# Altium PCB slave.PcbDoc (part 4 of 5)
Units mil, origin at the board's own origin, x right, y up, seen from the top; angles counter-clockwise.
Board outline 6299.21 x 3937.01 mil, 6 copper layers (Top Copper, FUSED_VBAT-, Signal Layer 2, Signal Layer 3, VREG, Bot Copper), stack 65.749 mil thick; 419 components, 272 nets, 1250 pads, 1624 vias.
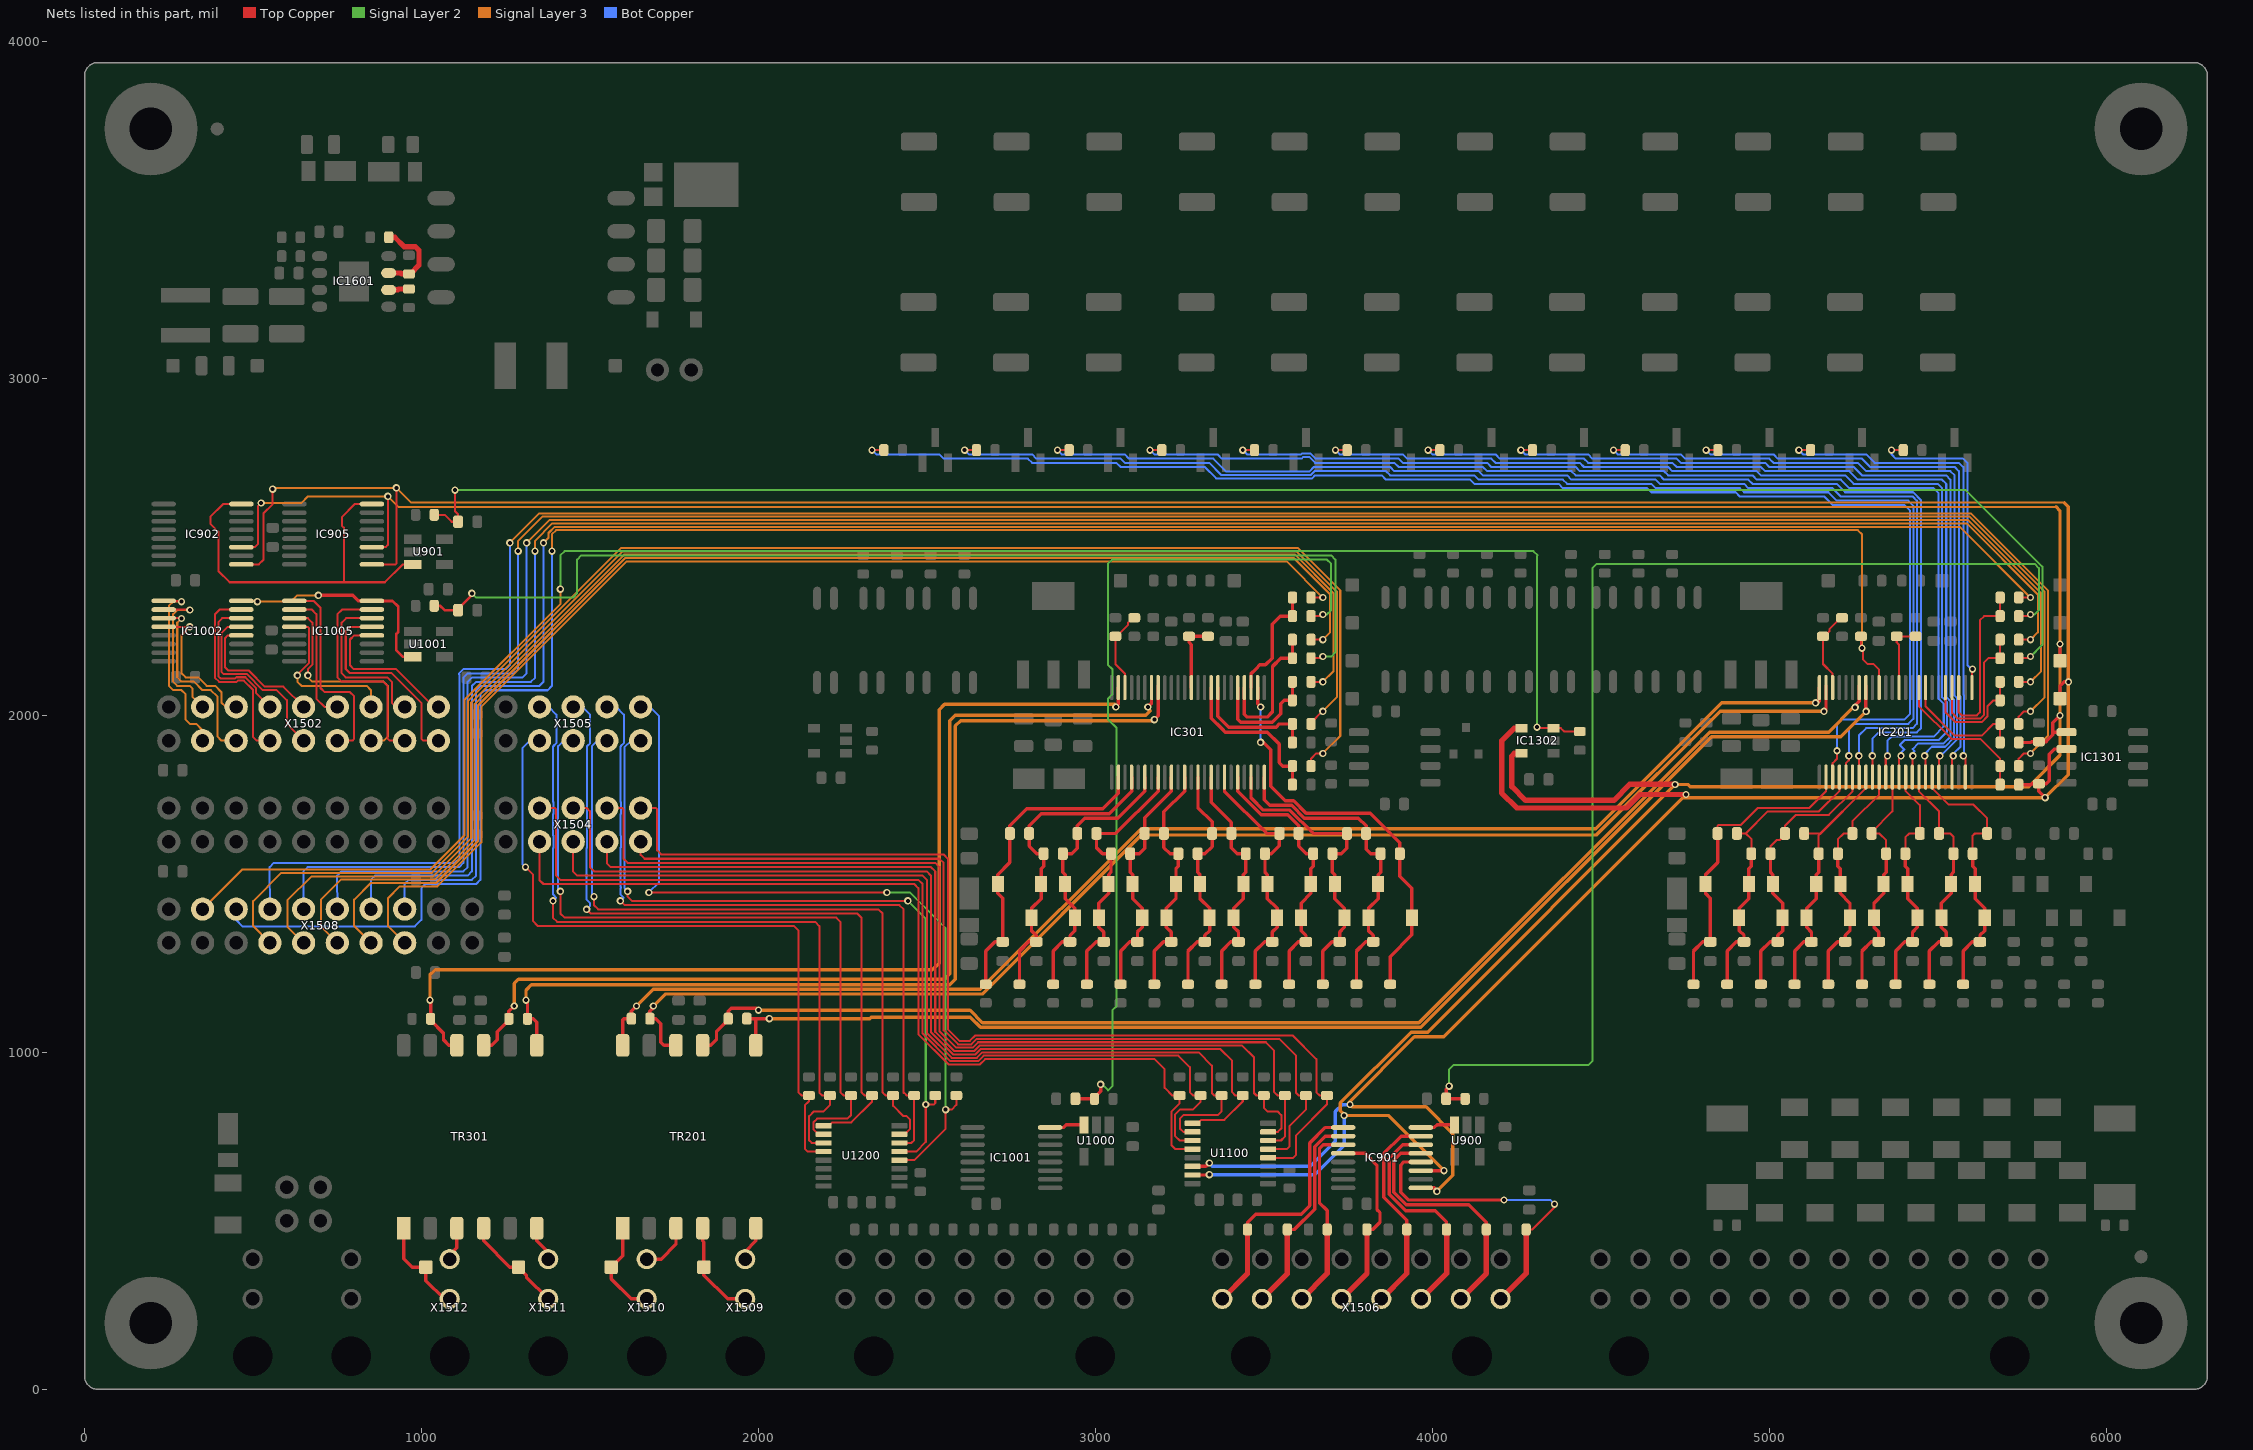
[diagram p8: the nets of this part, all layers, seen from the top]

## Via types
v1: diameter 21.65, hole 11.81, Top Copper to Bot Copper, tented both sides, 1591 vias
v2: diameter 29.53, hole 19.68, Top Copper to Bot Copper, tented both sides, 16 vias
v3: diameter 35.43, hole 23.62, Top Copper to Bot Copper, 13 vias
v4: diameter 25.59, hole 15.75, Top Copper to Bot Copper, tented both sides, 4 vias

## Nets (pads, with @x,y where several pads share a name; then routed paths per layer and width w, separated by ;. In a path a pad name is that pad's centre, name@x,y a point inside that pad or via, vN(x,y) a via of type N, cw(c..) or ccw(c..) an arc to the next point about the centre after c; other vN are vias at no path point) (continued)
PRIMARY-C4: C503.1 C508.2 C509.1 IC201.18 R503.2 Z502.2 Z503.1 | length 818.9
  Top Copper w6: IC201.18@5482.48,1816.64 5482.48,1784.16 5531.63,1735 5605,1735 5645.67,1694.33 C509.1@5645.67,1649.51 5609.51,1649.51 5602.75,1642.75 C508.2@5602.75,1589.51
  Top Copper w10: R503.2@5574.21,1202.07 5574.21,1300.75 5601.51,1328.05 C503.1@5624.21,1328.05 5624.21,1346.82 5638.58,1361.19 Z502.2@5638.58,1399.51 5638.58,1427.53 5609.84,1456.27 Z503.1@5609.84,1499.51 5609.84,1544.72 5602.75,1551.81 C508.2@5602.75,1589.51
PRIMARY-C5: C502.1 C507.2 C508.1 IC201.16 R502.2 Z501.2 Z502.1 | length 731
  Top Copper w6: IC201.16@5443.11,1816.64 5443.11,1775.23 5502.75,1715.59 C507.2@5502.75,1649.51 5535.49,1649.51 5545.67,1639.33 C508.1@5545.67,1589.51
  Top Copper w10: R502.2@5474.21,1202.07 5474.21,1300.75 5501.51,1328.05 C502.1@5524.21,1328.05 5524.21,1357.12 5509.84,1371.49 Z502.1@5509.84,1399.51 5509.84,1442.75 5538.58,1471.49 Z501.2@5538.58,1499.51 5538.58,1527.53 5545.67,1534.61 C508.1@5545.67,1589.51
PRIMARY-C6: C501.1 C507.1 C524.2 IC201.14 R501.2 Z501.1 Z512.2 | length 722.8
  Top Copper w6: C524.2@5402.75,1589.51 5402.75,1637.75 5414.51,1649.51 C507.1@5445.67,1649.51 5445.67,1733.31 5403.74,1775.23 IC201.14@5403.74,1816.64
  Top Copper w10: R501.2@5374.21,1202.07 5374.21,1300.75 5401.51,1328.05 C501.1@5424.21,1328.05 5424.21,1357.12 5438.58,1371.49 Z512.2@5438.58,1399.51 5438.58,1427.53 5409.84,1456.27 Z501.1@5409.84,1499.51 5409.84,1544.72 5402.75,1551.81 C524.2@5402.75,1589.51
PRIMARY-C7: C518.1 C523.2 C524.1 IC201.12 R513.2 Z511.2 Z512.1 | length 726
  Top Copper w6: C524.1@5345.67,1589.51 5345.67,1629.33 5325.49,1649.51 C523.2@5302.75,1649.51 5302.75,1653.45 5364.37,1715.06 IC201.12@5364.37,1816.64
  Top Copper w10: R513.2@5274.21,1202.07 5274.21,1300.75 5301.51,1328.05 C518.1@5324.21,1328.05 5324.21,1357.12 5309.84,1371.49 Z512.1@5309.84,1399.51 5309.84,1442.75 5338.58,1471.49 Z511.2@5338.58,1499.51 5338.58,1527.53 5345.67,1534.61 C524.1@5345.67,1589.51
PRIMARY-C8: C517.1 C522.2 C523.1 IC201.10 R512.2 Z510.2 Z511.1 | length 735.3
  Top Copper w6: C522.2@5202.75,1589.51 5202.75,1632.75 5219.51,1649.51 C523.1@5245.67,1649.51 5245.67,1685.67 5325,1765 IC201.10@5325,1816.64
  Top Copper w10: R512.2@5174.21,1202.07 5174.21,1300.75 5201.51,1328.05 C517.1@5224.21,1328.05 5224.21,1346.82 5238.58,1361.19 Z510.2@5238.58,1399.51 5238.58,1442.75 5209.84,1471.49 Z511.1@5209.84,1499.51 5209.84,1544.72 5202.75,1551.81 C522.2@5202.75,1589.51
PRIMARY-C9: C516.1 C521.2 C522.1 IC201.8 R511.2 Z509.2 Z510.1 | length 775.6
  Top Copper w6: C521.2@5102.75,1649.51 5150.98,1649.51 ; C522.1@5145.67,1589.51 5145.67,1644.2 5150.98,1649.51 ; IC201.8@5285.63,1816.64 5285.63,1784.16 5150.98,1649.51
  Top Copper w10: R511.2@5074.21,1202.07 5074.21,1300.75 5101.51,1328.05 C516.1@5124.21,1328.05 5124.21,1357.12 5109.84,1371.49 Z510.1@5109.84,1399.51 5109.84,1427.53 5138.58,1456.27 Z509.2@5138.58,1499.51 5138.58,1527.53 5145.67,1534.61 C522.1@5145.67,1589.51
PRIMARY-C10: C515.1 C520.2 C521.1 IC201.6 R510.2 Z508.2 Z509.1 | length 833
  Top Copper w6: C520.2@5002.75,1589.51 5002.75,1612.21 5020.69,1630.14 5030.24,1630.14 5045.67,1645.57 C521.1@5045.67,1649.51 5045.67,1672.21 5078.46,1705 5176.02,1705 5246.26,1775.23 IC201.6@5246.26,1816.64
  Top Copper w10: R510.2@4974.21,1202.07 4974.21,1300.75 5001.51,1328.05 C515.1@5024.21,1328.05 5024.21,1346.82 5038.58,1361.19 Z508.2@5038.58,1399.51 5038.58,1442.75 5009.84,1471.49 Z509.1@5009.84,1499.51 5009.84,1527.53 5002.75,1534.61 C520.2@5002.75,1589.51
PRIMARY-C11: C514.1 C519.2 C520.1 IC201.4 R509.2 Z507.2 Z508.1 | length 906.5
  Top Copper w6: C519.2@4902.75,1649.51 4929.51,1649.51 ; C520.1@4945.67,1589.51 4945.67,1633.35 4929.51,1649.51 ; IC201.4@5206.89,1816.64 5206.89,1775.23 5146.65,1715 4995,1715 4929.51,1649.51
  Top Copper w10: R509.2@4874.21,1202.07 4874.21,1300.75 4901.51,1328.05 C514.1@4924.21,1328.05 4924.21,1346.82 4909.84,1361.19 Z508.1@4909.84,1399.51 4909.84,1427.53 4938.58,1456.27 Z507.2@4938.58,1499.51 4938.58,1544.72 4945.67,1551.81 C520.1@4945.67,1589.51
PRIMARY-C12: C513.1 C519.1 IC201.2 R508.2 Z507.1 | length 930.9
  Top Copper w6: C519.1@4845.67,1649.51 4845.67,1672.21 4848.46,1675 4889.2,1675 4889.41,1675.21 4915.21,1675.21 4965,1725 5117.28,1725 5167.52,1775.23 IC201.2@5167.52,1816.64
  Top Copper w10: R508.2@4774.21,1202.07 4774.21,1300.75 4801.51,1328.05 C513.1@4824.21,1328.05 4824.21,1457.12 4809.84,1471.49 Z507.1@4809.84,1499.51 4809.84,1527.53 4845.67,1563.35 C519.1@4845.67,1649.51
PRIMARY-DIGITAL-IO_0: R1101.1 U1100.4 X1504.1 | length 3128.4
  Top Copper w6: X1504.1@1650,1725 1695,1725 1699.21,1720.79 1699.21,1599.51 1711.71,1587.01 2549.21,1587.01 2561.71,1574.51 2561.71,1068.29 2596.07,1033.93 2627,1033.93 2643.07,1050 3584.6,1050 3655,979.6 3655,881.94 3664.99,871.95 R1101.1@3686.71,871.95 3686.71,845.43 3595,753.72 3595,696.25 3585.95,687.2 U1100.4@3512.2,687.2
PRIMARY-DIGITAL-IO_1: R1102.1 U1100.5 X1504.2 | length 2915.8
  Top Copper w6: X1504.2@1650,1625 1650,1586.22 1661.71,1574.51 2536.71,1574.51 2549.21,1562.01 2549.21,1065 2550.86,1065 2591.92,1023.93 2631.14,1023.93 2647.21,1040 3545,1040 3595,990 3595,879.44 3602.49,871.95 R1102.1@3624.21,871.95 3624.21,830.21 3575.79,781.79 3575.79,721.46 3567.13,712.8 U1100.5@3512.2,712.8
PRIMARY-DIGITAL-IO_2: R1103.1 U1100.6 X1504.3 | length 2997.2
  Top Copper w6: X1504.3@1550,1725 1595,1725 1599.21,1720.79 1599.21,1574.51 1611.71,1562.01 2524.21,1562.01 2536.71,1549.51 2536.71,1063.36 2586.13,1013.93 2635.29,1013.93 2651.35,1030 3505,1030 3530,1005 3530,881.94 3539.99,871.95 R1103.1@3561.71,871.95 3561.71,750 3550.1,738.39 U1100.6@3512.2,738.39
PRIMARY-DIGITAL-IO_3: R1104.1 U1100.7 X1504.4 | length 2832.6
  Top Copper w6: X1504.4@1550,1625 1550,1561.22 1561.71,1549.51 2511.71,1549.51 2524.21,1537.01 2524.21,1060.79 2581.07,1003.93 2639.43,1003.93 2655.49,1020 3434.97,1020 3470,984.97 3470,879.44 3477.49,871.95 R1104.1@3499.21,871.95 3499.21,835.79 3510,825 3539.83,825 3551.19,813.64 3551.19,774.15 3541.01,763.98 U1100.7@3512.2,763.98
PRIMARY-DIGITAL-IO_4: R1105.1 U1100.9 X1504.5 | length 2971.3
  Top Copper w6: X1504.5@1450,1725 1490,1725 1499.21,1715.79 1499.21,1549.51 1511.71,1537.01 2499.21,1537.01 2511.71,1524.51 2511.71,1059.15 2576.92,993.93 2643.57,993.93 2659.64,1010 3369.97,1010 3405,974.97 3405,881.94 3414.99,871.95 R1105.1@3436.71,871.95 3436.71,854.17 3382.23,799.69 3313.67,799.69 3303.54,789.57 U1100.9@3287.8,789.57
PRIMARY-DIGITAL-IO_5: R1106.1 U1100.10 X1504.6 | length 2866.3
  Top Copper w6: X1504.6@1450,1625 1450,1536.22 1461.71,1524.51 2486.71,1524.51 2499.21,1512.01 2499.21,1057.51 2572.78,983.93 2647.71,983.93 2663.78,1000 3305.87,1000 3345,960.87 3345,879.44 3352.49,871.95 R1106.1@3374.21,871.95 3374.21,825 3363.54,814.33 3261.71,814.33 3250,802.62 3250,774.15 3260.17,763.98 U1100.10@3287.8,763.98
PRIMARY-DIGITAL-IO_6: R1107.1 U1100.11 X1504.7 | length 2977.4
  Top Copper w6: X1504.7@1350,1725 1395,1725 1399.21,1720.79 1399.21,1524.51 1411.71,1512.01 2474.21,1512.01 2486.71,1499.51 2486.71,1055.86 2568.64,973.93 2651.85,973.93 2667.92,990 3245.87,990 3280,955.87 3280,881.94 3289.99,871.95 R1107.1@3311.71,871.95 3311.71,853.91 3287.8,830 3250,830 3236.23,816.23 3236.23,751.48 3249.32,738.39 U1100.11@3287.8,738.39
PRIMARY-DIGITAL-IO_7: R1108.1 U1100.12 X1504.8 | length 2802
  Top Copper w6: X1504.8@1350,1625 1350,1511.22 1361.71,1499.51 2461.71,1499.51 2474.21,1487.01 2474.21,1054.22 2564.5,963.93 2656,963.93 2672.06,980 3174.97,980 3205,949.97 3205,894.44 3227.49,871.95 R1108.1@3249.21,871.95 3249.21,848.46 3225,824.25 3225,725 3237.2,712.8 U1100.12@3287.8,712.8
PRIMARY-GPIO1: IC201.27 R209.2 R210.2 | length 541.3
  Top Copper w6: IC201.27@5561.22,2088.68 5561.22,2008.78 5570,2000 5615,2000 5624.21,2009.21 5624.21,2282.01 5636.71,2294.51 R210.2@5682.19,2294.51 ; R210.2@5684.15,2294.51 R209.2@5684.15,2349.51
PRIMARY-GPIO1-OPT: R209.1 X1508.5 | length 6035.2
  Top Copper w6: R209.1@5741.24,2349.51 v1(5774.21,2349.51)
  Top Copper w10: R209.1@5736.71,2349.51 R209.1@5739.27,2349.51 R209.1@5741.24,2349.51
  Signal Layer 3 w6: v1(1361.71,2512.01) 1376.71,2527.01 1376.71,2541.15 1395.07,2559.51 5564.21,2559.51 v1(5774.21,2349.51)
  Bot Copper w6: X1508.5@950,1425 949.21,1499.51 961.71,1512.01 1149.21,1512.01 1161.71,1524.51 1161.71,2074.51 1174.21,2087.01 1349.21,2087.01 1361.71,2099.51 v1(1361.71,2512.01)
PRIMARY-GPIO2: IC201.28 R211.2 R212.2 | length 449.6
  Top Copper w6: IC201.28@5541.54,2088.68 5541.54,2007.19 5549.21,1999.51 5558.72,1990 5625,1990 5636.71,2001.71 5636.71,2157.01 5649.21,2169.51 R212.2@5682.19,2169.51 ; R212.2@5684.15,2169.51 R211.2@5684.15,2224.51
PRIMARY-GPIO2-OPT: R211.1 X1508.7 | length 6295.2
  Top Copper w6: R211.1@5741.24,2224.51 v1(5774.21,2224.51)
  Signal Layer 3 w6: v1(1336.71,2487.01) 1336.71,2517.88 1388.34,2569.51 5585.08,2569.51 5796.04,2358.55 5796.04,2246.34 v1(5774.21,2224.51)
  Bot Copper w6: X1508.7@850,1425 849.21,1512.01 861.71,1524.51 1136.71,1524.51 1149.21,1537.01 1149.21,2087.01 1161.71,2099.51 1324.21,2099.51 1336.71,2112.01 v1(1336.71,2487.01)
PRIMARY-GPIO3: IC201.29 R213.2 R214.2 | length 346
  Top Copper w6: IC201.29@5521.85,2082.38 5521.85,2009.89 5551.73,1980 5629.14,1980 5646.71,1997.57 5646.71,2026.71 5664.51,2044.51 R214.2@5684.15,2044.51 R213.2@5684.15,2099.51
PRIMARY-GPIO3-OPT: R213.1 X1508.9 | length 6541.7
  Top Copper w6: R213.1@5741.24,2099.51 v1(5774.21,2099.51)
  Signal Layer 3 w6: v1(1311.71,2512.01) 1379.21,2579.51 5589.22,2579.51 5806.04,2362.69 5806.04,2131.34 v1(5774.21,2099.51)
  Bot Copper w6: X1508.9@750,1425 749.21,1524.51 761.71,1537.01 1124.21,1537.01 1136.71,1549.51 1136.71,2099.51 1149.21,2112.01 1299.21,2112.01 1311.71,2124.51 v1(1311.71,2512.01)
PRIMARY-GPIO4: IC201.32 R215.2 R216.2 | length 382.5
  Top Copper w6: IC201.32@5462.79,2082.38 5462.79,2026.34 5549.13,1940 5630,1940 5664.51,1974.51 R215.2@5684.15,1974.51 R216.2@5684.15,1919.51
PRIMARY-GPIO4-OPT: R215.1 X1508.11 | length 6787.7
  Top Copper w6: R215.1@5739.27,1974.51 5739.27,1996.23 5755.05,2012.01 v1(5774.21,2012.01)
  Signal Layer 3 w6: v1(1286.71,2487.01) 1286.71,2517.88 1358.34,2589.51 5593.36,2589.51 5816.04,2366.84 5816.04,2053.84 v1(5774.21,2012.01)
  Bot Copper w6: X1508.11@650,1425 649.21,1537.01 661.71,1549.51 1111.71,1549.51 1124.21,1562.01 1124.21,2112.01 1136.71,2124.51 1274.21,2124.51 1286.71,2137.01 v1(1286.71,2487.01)
PRIMARY-GPIO5: IC201.33 R217.2 R218.2 | length 437.7
  Top Copper w6: IC201.33@5443.11,2082.38 5443.11,2026.89 5540,1930 5625.38,1930 5684.15,1871.23 R217.2@5684.15,1849.51 R218.2@5684.15,1794.51
PRIMARY-GPIO5-OPT: R217.1 X1508.13 | length 7035
  Top Copper w6: R217.1@5739.27,1849.51 5739.27,1871.23 5755.05,1887.01 v1(5774.21,1887.01)
  Signal Layer 3 w6: v1(1261.71,2512.01) 1349.21,2599.51 5597.5,2599.51 5826.04,2370.98 5826.04,1938.84 v1(5774.21,1887.01)
  Bot Copper w6: X1508.13@550,1425 549.21,1549.51 561.71,1562.01 1099.21,1562.01 1112.77,1575.57 1112.77,2120.24 1111.71,2121.3 1111.71,2124.51 1124.21,2137.01 1249.21,2137.01 1261.71,2149.51 v1(1261.71,2512.01)
PRIMARY-ICMP: IC201.46 R206.1 R208.2 | length 246.9
  Top Copper w6: IC201.46@5187.2,2082.38 5187.2,2123.79 5158.59,2152.4 R208.2@5158.59,2234.45 5162.53,2234.45 5177.12,2249.04 5177.12,2255.78 5210.9,2289.57 R206.1@5214.84,2289.57
PRIMARY-ICMP1: IC301.46 R306.1 R308.2 | length 246.9
  Top Copper w6: IC301.46@3087.2,2082.38 3087.2,2123.79 3058.59,2152.4 R308.2@3058.59,2234.45 3062.53,2234.45 3096.31,2268.24 3096.31,2274.98 3110.9,2289.57 R306.1@3114.84,2289.57
PRIMARY-IN+: TP201.1 TR201.4 X1509.1 | length 292.8
  Top Copper w10: TR201.4@1833.9,478.35 1833.9,440.6 1837.5,437 TP201.1@1837.5,362.5 1837.5,338.82 1907.89,268.43 X1509.1@1960.13,268.43
PRIMARY-IN-: TR201.6 X1509.2 | length 105.1
  Top Copper w10: X1509.2@1960.13,386.42 1960.13,408.83 1991.9,440.6 TR201.6@1991.9,478.35
PRIMARY-IN_N1: IC201.41 R204.2 TR201.7 | length 3882.2
  Top Copper w10: R204.2@1965.06,1100 1995,1100 ; TR201.7@1991.9,1020.85 1991.9,1096.9 1995,1100 ; v1(2032.01,1100) 1995,1100 ; IC201.41@5285.63,2088.68 5285.63,2013.09 v1(5286.71,2012.01)
  Signal Layer 3 w10: v1(2032.01,1100) 2329.36,1100 2333.94,1104.59 2628.14,1104.59 2658.54,1074.18 3965.49,1074.18 4827.63,1936.33 5211.03,1936.33 v1(5286.71,2012.01)
PRIMARY-IN_P1: IC201.42 R204.1 TR201.9 | length 3970
  Top Copper w10: TR201.9@1833.9,1020.85 1857.9,1020.85 1875,1037.95 1875,1061.12 1909.94,1096.06 R204.1@1909.94,1100 1909.94,1122.44 1918.75,1131.25 1993.75,1131.25 v1(2000,1125) ; v1(5254,2024) 5254,2029.3 5265.94,2041.24 IC201.42@5265.94,2088.68
  Signal Layer 3 w10: v1(2000,1125) 2627.52,1125 2664.34,1088.18 3959.69,1088.18 4821.83,1950.33 5175.03,1950.33 5248.7,2024 v1(5254,2024)
PRIMARY-MUX-DATA_TEMP: C904.2 R210.1 R909.2 | length 3571.2
  Top Copper w6: R210.1@5741.24,2294.51 5769.21,2294.51 v1(5774.21,2299.51)
  Top Copper w10: v1(4049.21,899.51) 4040.25,890.55 C904.2@4040.25,862.01 R909.2@4096.65,862.01
  Signal Layer 2 w6: v1(4049.21,899.51) 4049.21,949.51 4061.71,962.01 4462.01,962.01 4474.21,974.21 4474.21,2437.01 4486.71,2449.51 5786.71,2449.51 5799.21,2437.01 5799.21,2312.01 5786.71,2299.51 v1(5774.21,2299.51)
PRIMARY-MUX-DATA_USER: C905.2 R212.1 R910.2 | length 5296.8
  Top Copper w6: R910.2@1037.56,2595 1068.91,2595 1089.4,2574.51 C905.2@1108.17,2574.51 1108.17,2597.21 1099.21,2606.17 v1(1099.21,2668.26) ; R212.1@5741.24,2169.51 5769.21,2169.51 v1(5774.21,2174.51)
  Signal Layer 2 w6: v1(1099.21,2668.26) 5582.1,2668.26 5809.21,2441.15 5809.21,2209.51 v1(5774.21,2174.51)
PRIMARY-OPA_TEMP: IC901.8 U900.3 | length 103
  Top Copper w10: IC901.8@3965.16,777.07 4005.57,777.07 4013.25,784.74 U900.3@4064.97,784.74
PRIMARY-OPA_USER: IC902.8 IC905.8 U901.3 | length 1191.9
  Top Copper w6: IC902.8@465.16,2627.07 411.2,2627.07 373.17,2589.04 373.17,2569.13 396.92,2545.38 396.92,2428.46 430.38,2395 770,2395 ; IC905.8@852.66,2627.07 802.07,2627.07 763.17,2588.17 763.17,2562.69 770,2555.87 770,2395 ; U901.3@973.42,2447.6 943.83,2447.6 891.23,2395 770,2395
PRIMARY-OUT+: TP207.1 TR201.1 X1510.1 | length 294.9
  Top Copper w10: TR201.1@1596.9,478.35 1596.9,396.9 TP207.1@1562.5,362.5 1562.5,327.5 1621.57,268.43 X1510.1@1667.87,268.43
PRIMARY-OUT-: TR201.3 X1510.2 | length 153.4
  Top Copper w10: X1510.2@1667.87,386.42 1711.22,386.42 1754.9,430.1 TR201.3@1754.9,478.35
PRIMARY-OUT_N1: IC201.47 R207.2 TR201.10 | length 4099.7
  Top Copper w10: v1(1687.5,1137.5) 1687.5,1131.66 1677.56,1121.72 R207.2@1677.56,1100 1695.34,1100 1710,1085.34 1710,1030 1719.15,1020.85 TR201.10@1754.9,1020.85 ; v1(5161.71,2012.01) 5167.52,2017.82 IC201.47@5167.52,2088.68
  Signal Layer 3 w10: v1(1687.5,1137.5) 1723.01,1173.01 2664.01,1173.01 3136,1645 4485.99,1645 4853.01,2012.01 v1(5161.71,2012.01)
PRIMARY-OUT_P1: IC201.48 R207.1 TR201.12 | length 4072.6
  Top Copper w10: TR201.12@1596.9,1020.85 1596.9,1096.9 1600,1100 R207.1@1622.44,1100 1622.44,1122.44 v1(1637.5,1137.5) ; v1(5136.71,2037.01) 5140.68,2040.98 5147.83,2040.98 IC201.48@5147.83,2082.38
  Signal Layer 3 w10: v1(1637.5,1137.5) 1687.01,1187.01 2658.22,1187.01 3134.88,1663.67 4484.87,1663.67 4858.21,2037.01 v1(5136.71,2037.01)
PRIMARY-SCL_0: IC901.1 IC902.1 IC905.1 IC1301.6 IC1302.4 R218.1 R223.1 TP210.1 U1100.14 | length 11656.3
  Top Copper w6: IC902.1@465.16,2447.93 516.93,2447.93 531,2462 531,2599.37 558,2626.37 v1(558,2671) ; IC905.1@852.66,2447.93 922.93,2447.93 925,2450 v1(925,2675)
  Top Copper w10: U1100.14@3287.8,661.61 3327.65,661.61 v1(3337.5,671.46) ; IC901.1@3965.16,597.93 4005.57,597.93 4005.57,594.43 v1(4012.5,587.5) ; R218.1@5739.27,1794.51 5775.05,1794.51 5777.49,1796.95 R223.1@5799.21,1796.95 ; v1(5817.96,1755.76) 5799.21,1774.51 R223.1@5799.21,1796.95 ; TP210.1@5861.71,2049.51 5861.71,2087.01 5874.21,2099.51 v1(5886.71,2099.51) ; IC1301.6@5881.2,1900 5845,1900 5830,1885 5830,1806.02 5820.93,1796.95 R223.1@5799.21,1796.95
  Top Copper w16: IC1302.4@4264.47,1961.91 4242.75,1961.91 4205,1924.16 4205,1770 4250,1725 4575,1725 4615,1765 v1(4752.2,1765)
  Signal Layer 3 w6: v1(558,2671) 562,2675 v1(925,2675) 968.75,2631.25 5875,2631.25
  Signal Layer 3 w10: v1(4012.5,587.5) 4060,635 4060,758.7 3980.51,838.18 3761.82,838.18 v1(3755,845) 3755,842.5 3752.23,839.73 3752.23,852.19 3946.23,1046.18 4033.38,1046.18 4742.96,1755.76 ; v1(4752.2,1765) 4742.96,1755.76 ; 5875,2631.25 5886.71,2619.54 v1(5886.71,2099.51) 5886.17,2098.97 5886.17,1823.97 5819.98,1757.78 5819.98,1755.76 v1(5817.96,1755.76) 4742.96,1755.76
  Bot Copper w10: v1(3337.5,671.46) 3346.46,662.5 3637.5,662.5 3711.71,736.71 3711.71,824.51 3732.2,845 v1(3755,845)
PRIMARY-SDA_0: IC901.3 IC902.3 IC905.3 IC1301.5 IC1302.5 R216.1 R222.1 TP209.1 U1100.15 | length 10994.4
  Top Copper w6: IC902.3@465.16,2499.11 505.57,2499.11 514.3,2507.84 514.3,2620.3 v1(524,2630) ; IC905.3@852.66,2499.11 893.07,2499.11 900,2506.04 v1(900,2650)
  Top Copper w10: U1100.15@3287.8,636.02 3336.51,636.02 v1(3337.5,637.01) ; IC901.3@3965.16,649.11 4033.89,649.11 v1(4034,649) ; R216.1@5739.27,1919.51 5775.05,1919.51 5777.49,1921.95 R222.1@5799.21,1921.95 5820.93,1921.95 5820.93,1923.25 5840,1942.33 5840,1950 ; v1(5861.71,1999.51) 5840,1977.8 5840,1950 ; TP209.1@5861.71,2162.01 v1(5861.71,2212.01) ; IC1301.5@5881.2,1950 5840,1950
  Top Copper w16: IC1302.5@4264.47,1887.11 4242.75,1887.11 4235,1879.36 4235,1788.28 4275.6,1747.68 4537.68,1747.68 4585,1795 v1(4720,1795)
  Signal Layer 3 w6: v1(524,2630) 642.88,2630 662.88,2650 v1(900,2650) 931.25,2618.75 5850,2618.75
  Signal Layer 3 w10: v1(4034,649) 3870.5,812.5 v1(3737.5,812.5) 3737.5,815.65 3726.17,826.98 3726.17,849.87 3936.49,1060.18 3985.18,1060.18 v1(4720,1795) 4757.52,1795 4764.34,1788.18 5769.02,1788.18 5861.71,1880.87 v1(5861.71,1999.51) v1(5861.71,2212.01) 5861.71,2607.04 5850,2618.75
  Bot Copper w10: v1(3337.5,637.01) 3650.1,637.01 3737.5,724.41 v1(3737.5,812.5)
PRIMARY-SWTEN: IC201.36 R220.2 R221.1 | length 211.1
  Top Copper w6: IC201.36@5384.05,2082.38 5384.05,2209.96 5377.34,2216.67 R220.2@5377.34,2234.45 5399.06,2234.45 R221.1@5433.59,2234.45
PRIMARY-SWTEN1: IC301.36 R320.2 R321.1 | length 211.1
  Top Copper w10: IC301.36@3284.05,2082.38 3284.05,2209.96 3277.34,2216.67 R320.2@3277.34,2234.45 3311.87,2234.45 R321.1@3333.59,2234.45
PRIMARY-T-SENSOR_0: IC901.4 R908.1 X1506.1 | length 973.3
  Top Copper w6: R908.1@4277.68,474.31 4295.46,474.31 4361.71,540.56 v1(4361.71,549.51)
  Top Copper w10: IC901.4@3965.16,674.7 3914.7,674.7 3905,665 3905,585 3927.99,562.01 v1(4211.71,562.01)
  Top Copper w16: X1506.1@4201.83,268.43 4277.68,344.28 R908.1@4277.68,474.31
  Bot Copper w6: v1(4211.71,562.01) 4349.21,562.01 v1(4361.71,549.51)
PRIMARY-T-SENSOR_1: IC901.5 R907.1 X1506.2 | length 753.8
  Top Copper w10: IC901.5@3965.16,700.3 3905.3,700.3 3885,680 3885,585.2 3922.19,548.01 4107.59,548.01 4159.57,496.03 R907.1@4159.57,474.31
  Top Copper w16: X1506.2@4083.84,268.43 4159.57,344.16 R907.1@4159.57,474.31
PRIMARY-T-SENSOR_2: IC901.6 R906.1 X1506.3 | length 681.9
  Top Copper w10: IC901.6@3965.16,725.89 3911.09,725.89 3870,684.8 3871,683.8 3871,579.4 3920.4,530 4007.49,530 4041.46,496.03 R906.1@4041.46,474.31
  Top Copper w16: X1506.3@3965.85,268.43 4041.46,344.04 R906.1@4041.46,474.31
PRIMARY-T-SENSOR_3: IC901.7 R905.1 X1506.4 | length 622.6
  Top Copper w10: R905.1@3923.35,474.31 3923.35,501.65 3855,570 3855,700 3906.48,751.48 IC901.7@3965.16,751.48
  Top Copper w16: X1506.4@3847.86,268.43 3923.35,343.92 R905.1@3923.35,474.31
PRIMARY-T-SENSOR_4: IC901.12 R904.1 X1506.5 | length 572.6
  Top Copper w10: IC901.12@3734.84,700.3 3799.7,700.3 3835,665 3835,533.7 3843.83,524.87 3843.83,495.12 3823.02,474.31 R904.1@3805.24,474.31
  Top Copper w16: X1506.5@3729.82,268.43 3805.24,343.84 R904.1@3805.24,474.31
PRIMARY-T-SENSOR_5: IC901.11 R903.1 X1506.6 | length 561.9
  Top Copper w10: R903.1@3687.13,474.31 3687.13,530.72 3664.26,553.58 3664.26,714.26 3675.89,725.89 IC901.11@3734.84,725.89
  Top Copper w16: X1506.6@3611.83,268.43 3687.13,343.73 R903.1@3687.13,474.31
PRIMARY-T-SENSOR_6: IC901.10 R902.1 X1506.7 | length 626.1
  Top Copper w10: R902.1@3569.02,474.31 3589.61,474.31 3650,534.7 3650,719.8 3681.68,751.48 IC901.10@3734.84,751.48
  Top Copper w16: X1506.7@3493.84,268.43 3569.02,343.61 R902.1@3569.02,474.31
PRIMARY-T-SENSOR_7: IC901.9 R901.1 X1506.8 | length 767.7
  Top Copper w10: R901.1@3450.91,474.31 3450.91,496.03 3474.88,520 3610.51,520 3636,545.49 3636,731 3682.07,777.07 IC901.9@3734.84,777.07